# KiCad board data-center-ddr5-tester.kicad_pcb (continued)
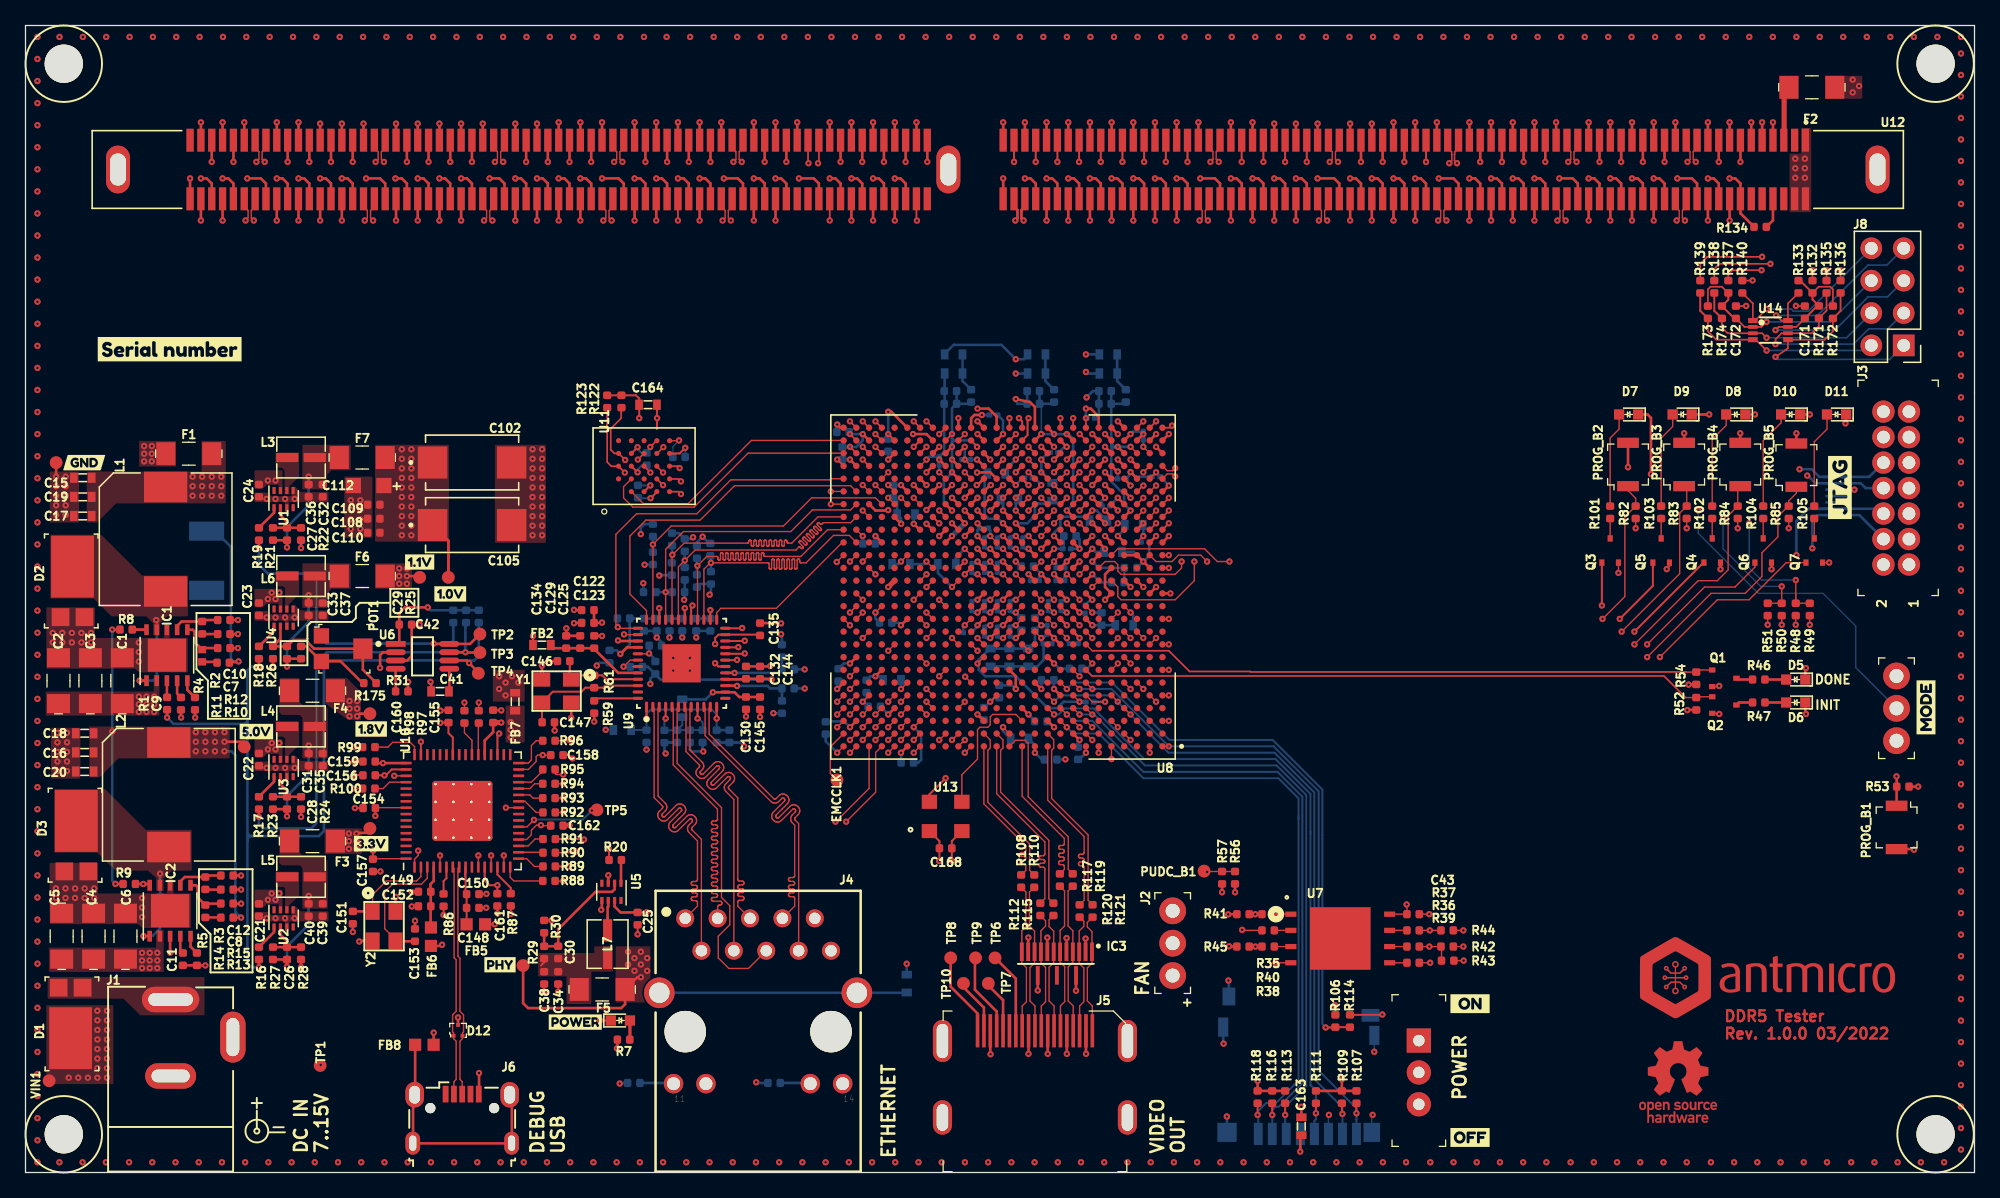
[diagram p0: board, top side]
## Routing (per net, layer and track width the routed paths; a pad name or vN(x,y) marks a point on that pad's centre or on a via; arc(x,y) is an arc through that point) (continued)
DQ15_B: length 61.5
  Top w0.2: U12.265 v1(32.45,74.7) ; U8.AA18 v1(72.64,53.94)
  In7.Cu w0.127: v1(72.64,53.94) 72.14,54.44 72.14,55.19 71.64,55.69 71.64,57.19 62.64,66.19 33.14,66.19 32.45,66.88 32.45,72.22 32.45,72.25 32.44,72.27 32.42,72.3 32.4,72.32 32.38,72.33 32.35,72.34 32.32,72.34 32.2,72.34 32.17,72.35 32.15,72.36 32.12,72.37 32.1,72.39 32.09,72.42 32.08,72.44 32.08,72.47 32.08,72.5 32.09,72.53 32.1,72.55 32.12,72.57 32.15,72.59 32.17,72.6 32.2,72.6 32.7,72.6 32.73,72.6 32.75,72.61 32.78,72.63 32.8,72.65 32.81,72.67 32.82,72.7 32.82,72.73 32.82,72.75 32.81,72.78 32.8,72.81 32.78,72.83 32.75,72.84 32.73,72.85 32.7,72.85 32.2,72.85 32.17,72.86 32.15,72.87 32.12,72.88 32.1,72.9 32.09,72.92 32.08,72.95 32.08,72.98 32.08,73.01 32.09,73.04 32.1,73.06 32.12,73.08 32.15,73.09 32.17,73.1 32.2,73.11 32.7,73.11 32.73,73.11 32.75,73.12 32.78,73.13 32.8,73.15 32.81,73.18 32.82,73.21 32.82,73.23 32.82,73.26 32.81,73.29 32.8,73.31 32.78,73.33 32.75,73.35 32.73,73.36 32.7,73.36 32.2,73.36 32.17,73.36 32.15,73.37 32.12,73.39 32.1,73.41 32.09,73.43 32.08,73.46 32.08,73.49 32.08,73.52 32.09,73.54 32.1,73.57 32.12,73.59 32.15,73.6 32.17,73.61 32.2,73.62 32.7,73.62 32.73,73.62 32.75,73.63 32.78,73.64 32.8,73.66 32.81,73.69 32.82,73.71 32.82,73.74 32.82,73.77 32.81,73.8 32.8,73.82 32.78,73.84 32.75,73.86 32.73,73.87 32.7,73.87 32.2,73.87 32.17,73.87 32.15,73.88 32.12,73.9 32.1,73.92 32.09,73.94 32.08,73.97 32.08,74 32.08,74.02 32.09,74.05 32.1,74.08 32.12,74.1 32.15,74.11 32.17,74.12 32.2,74.12 32.32,74.12 32.35,74.13 32.38,74.14 32.4,74.15 32.42,74.17 32.44,74.19 32.45,74.22 32.45,74.25 v1(32.45,74.7)
DQ16_A: length 66.6
  Top w0.196: U12.29 v1(115.75,79.3)
  Top w0.2: U8.Y5 85.15,52.44 v1(85.64,51.95)
  In7.Cu w0.127: v1(85.64,51.95) 86.14,51.45 87.15,51.45 87.65,51.95 110.65,51.95 115.75,57.05 115.75,74.94 115.75,74.97 115.76,75 115.78,75.02 115.8,75.04 115.82,75.05 115.85,75.06 115.88,75.07 116.01,75.07 116.04,75.07 116.07,75.08 116.09,75.09 116.11,75.11 116.13,75.14 116.14,75.17 116.14,75.19 116.14,75.22 116.13,75.25 116.11,75.27 116.09,75.29 116.07,75.31 116.04,75.32 116.01,75.32 115.49,75.32 115.46,75.32 115.43,75.33 115.41,75.35 115.39,75.37 115.37,75.39 115.36,75.42 115.36,75.45 115.36,75.48 115.37,75.5 115.39,75.53 115.41,75.55 115.43,75.56 115.46,75.57 115.49,75.58 116.01,75.58 116.04,75.58 116.07,75.59 116.09,75.6 116.11,75.62 116.13,75.65 116.14,75.67 116.14,75.7 116.14,75.73 116.13,75.76 116.11,75.78 116.09,75.8 116.07,75.82 116.04,75.83 116.01,75.83 115.49,75.83 115.46,75.83 115.43,75.84 115.41,75.86 115.39,75.88 115.37,75.9 115.36,75.93 115.36,75.96 115.36,75.98 115.37,76.01 115.39,76.04 115.41,76.06 115.43,76.07 115.46,76.08 115.49,76.08 116.01,76.08 116.04,76.09 116.07,76.1 116.09,76.11 116.11,76.13 116.13,76.15 116.14,76.18 116.14,76.21 116.14,76.24 116.13,76.27 116.11,76.29 116.09,76.31 116.07,76.32 116.04,76.33 116.01,76.34 115.49,76.34 115.46,76.34 115.43,76.35 115.41,76.36 115.39,76.38 115.37,76.41 115.36,76.44 115.36,76.46 115.36,76.49 115.37,76.52 115.39,76.54 115.41,76.56 115.43,76.58 115.46,76.59 115.49,76.59 116.01,76.59 116.04,76.59 116.07,76.6 116.09,76.62 116.11,76.64 116.13,76.66 116.14,76.69 116.14,76.72 116.14,76.75 116.13,76.77 116.11,76.8 116.09,76.82 116.07,76.83 116.04,76.84 116.01,76.84 115.49,76.84 115.46,76.85 115.43,76.86 115.41,76.87 115.39,76.89 115.37,76.92 115.36,76.94 115.36,76.97 115.36,77 115.37,77.03 115.39,77.05 115.41,77.07 115.43,77.09 115.46,77.1 115.49,77.1 116.01,77.1 116.04,77.1 116.07,77.11 116.09,77.13 116.11,77.15 116.13,77.17 116.14,77.2 116.14,77.23 116.14,77.25 116.13,77.28 116.11,77.31 116.09,77.33 116.07,77.34 116.04,77.35 116.01,77.35 115.49,77.35 115.46,77.36 115.43,77.37 115.41,77.38 115.39,77.4 115.37,77.42 115.36,77.45 115.36,77.48 115.36,77.51 115.37,77.54 115.39,77.56 115.41,77.58 115.43,77.59 115.46,77.6 115.49,77.61 116.01,77.61 116.04,77.61 116.07,77.62 116.09,77.63 116.11,77.65 116.13,77.68 116.14,77.71 116.14,77.73 116.14,77.76 116.13,77.79 116.11,77.81 116.09,77.83 116.07,77.85 116.04,77.86 116.01,77.86 115.49,77.86 115.46,77.86 115.43,77.87 115.41,77.89 115.39,77.91 115.37,77.93 115.36,77.96 115.36,77.99 115.36,78.02 115.37,78.04 115.39,78.07 115.41,78.09 115.43,78.1 115.46,78.11 115.49,78.12 116.01,78.12 116.04,78.12 116.07,78.13 116.09,78.14 116.11,78.16 116.13,78.19 116.14,78.21 116.14,78.24 116.14,78.27 116.13,78.3 116.11,78.32 116.09,78.34 116.07,78.36 116.04,78.37 116.01,78.37 115.49,78.37 115.46,78.37 115.43,78.38 115.41,78.4 115.39,78.42 115.37,78.44 115.36,78.47 115.36,78.5 115.36,78.52 115.37,78.55 115.39,78.58 115.41,78.6 115.43,78.61 115.46,78.62 115.49,78.62 115.62,78.62 115.65,78.63 115.68,78.64 115.7,78.65 115.72,78.67 115.74,78.69 115.75,78.72 115.75,78.75 v1(115.75,79.3)
DQ16_B: length 73.2
  Top w0.2: U12.122 v3(31.6,79.3) ; U8.AD18 v3(72.64,56.94)
  In5.Cu w0.127: v3(31.6,79.3) 31.6,78.8 31.6,78.77 31.59,78.74 31.57,78.72 31.55,78.7 31.53,78.69 31.5,78.68 31.47,78.67 31.34,78.67 31.31,78.67 31.28,78.66 31.26,78.65 31.24,78.63 31.22,78.6 31.21,78.57 31.21,78.55 31.21,78.52 31.22,78.49 31.24,78.47 31.26,78.45 31.28,78.43 31.31,78.42 31.34,78.42 31.86,78.42 31.89,78.42 31.92,78.41 31.94,78.39 31.96,78.37 31.98,78.35 31.99,78.32 31.99,78.29 31.99,78.26 31.98,78.24 31.96,78.21 31.94,78.19 31.92,78.18 31.89,78.17 31.86,78.16 31.34,78.16 31.31,78.16 31.28,78.15 31.26,78.14 31.24,78.12 31.22,78.09 31.21,78.07 31.21,78.04 31.21,78.01 31.22,77.98 31.24,77.96 31.26,77.94 31.28,77.92 31.31,77.91 31.34,77.91 31.86,77.91 31.89,77.91 31.92,77.9 31.94,77.88 31.96,77.86 31.98,77.84 31.99,77.81 31.99,77.78 31.99,77.76 31.98,77.73 31.96,77.7 31.94,77.68 31.92,77.67 31.89,77.66 31.86,77.66 31.34,77.66 31.31,77.65 31.28,77.64 31.26,77.63 31.24,77.61 31.22,77.59 31.21,77.56 31.21,77.53 31.21,77.5 31.22,77.47 31.24,77.45 31.26,77.43 31.28,77.42 31.31,77.41 31.34,77.4 31.86,77.4 31.89,77.4 31.92,77.39 31.94,77.38 31.96,77.36 31.98,77.33 31.99,77.3 31.99,77.28 31.99,77.25 31.98,77.22 31.96,77.2 31.94,77.18 31.92,77.16 31.89,77.15 31.86,77.15 31.34,77.15 31.31,77.15 31.28,77.14 31.26,77.12 31.24,77.1 31.22,77.08 31.21,77.05 31.21,77.02 31.21,76.99 31.22,76.97 31.24,76.94 31.26,76.92 31.28,76.91 31.31,76.9 31.34,76.9 31.86,76.9 31.89,76.89 31.92,76.88 31.94,76.87 31.96,76.85 31.98,76.82 31.99,76.8 31.99,76.77 31.99,76.74 31.98,76.71 31.96,76.69 31.94,76.67 31.92,76.65 31.89,76.64 31.86,76.64 31.34,76.64 31.31,76.64 31.28,76.63 31.26,76.61 31.24,76.59 31.22,76.57 31.21,76.54 31.21,76.51 31.21,76.49 31.22,76.46 31.24,76.43 31.26,76.41 31.28,76.4 31.31,76.39 31.34,76.39 31.86,76.39 31.89,76.38 31.92,76.37 31.94,76.36 31.96,76.34 31.98,76.32 31.99,76.29 31.99,76.26 31.99,76.23 31.98,76.2 31.96,76.18 31.94,76.16 31.92,76.15 31.89,76.14 31.86,76.13 31.34,76.13 31.31,76.13 31.28,76.12 31.26,76.11 31.24,76.09 31.22,76.06 31.21,76.03 31.21,76.01 31.21,75.98 31.22,75.95 31.24,75.93 31.26,75.91 31.28,75.89 31.31,75.88 31.34,75.88 31.86,75.88 31.89,75.88 31.92,75.87 31.94,75.85 31.96,75.83 31.98,75.81 31.99,75.78 31.99,75.75 31.99,75.72 31.98,75.7 31.96,75.67 31.94,75.65 31.92,75.64 31.89,75.63 31.86,75.62 31.34,75.62 31.31,75.62 31.28,75.61 31.26,75.6 31.24,75.58 31.22,75.55 31.21,75.53 31.21,75.5 31.21,75.47 31.22,75.44 31.24,75.42 31.26,75.4 31.28,75.38 31.31,75.37 31.34,75.37 31.86,75.37 31.89,75.37 31.92,75.36 31.94,75.34 31.96,75.32 31.98,75.3 31.99,75.27 31.99,75.24 31.99,75.22 31.98,75.19 31.96,75.16 31.94,75.14 31.92,75.13 31.89,75.12 31.86,75.12 31.34,75.12 31.31,75.11 31.28,75.1 31.26,75.09 31.24,75.07 31.22,75.05 31.21,75.02 31.21,74.99 31.21,74.96 31.22,74.93 31.24,74.91 31.26,74.89 31.28,74.88 31.31,74.87 31.34,74.86 31.47,74.86 31.5,74.86 31.53,74.85 31.55,74.84 31.57,74.82 31.59,74.79 31.6,74.76 31.6,74.74 31.6,66.23 32.39,65.44 69.14,65.44 72.64,61.94 v3(72.64,56.94)
DQ17_A: length 66.6
  Top w0.2: U12.31 v1(114.05,79.3) ; U8.AA4 v1(86.64,52.94)
  In7.Cu w0.127: v1(86.64,52.94) 109.64,52.94 114.05,57.35 114.05,73.77 114.05,73.8 114.04,73.83 114.02,73.85 114,73.87 113.98,73.88 113.95,73.89 113.92,73.9 113.78,73.9 113.75,73.9 113.72,73.91 113.7,73.92 113.68,73.94 113.66,73.97 113.65,74 113.65,74.02 113.65,74.05 113.66,74.08 113.68,74.1 113.7,74.12 113.72,74.14 113.75,74.15 113.78,74.15 114.32,74.15 114.35,74.15 114.38,74.16 114.4,74.18 114.42,74.2 114.44,74.22 114.45,74.25 114.45,74.28 114.45,74.31 114.44,74.33 114.42,74.36 114.4,74.38 114.38,74.39 114.35,74.4 114.32,74.41 113.78,74.41 113.75,74.41 113.72,74.42 113.7,74.43 113.68,74.45 113.66,74.48 113.65,74.5 113.65,74.53 113.65,74.56 113.66,74.59 113.68,74.61 113.7,74.63 113.72,74.65 113.75,74.66 113.78,74.66 114.32,74.66 114.35,74.66 114.38,74.67 114.4,74.69 114.42,74.71 114.44,74.73 114.45,74.76 114.45,74.79 114.45,74.81 114.44,74.84 114.42,74.87 114.4,74.89 114.38,74.9 114.35,74.91 114.32,74.91 113.78,74.91 113.75,74.92 113.72,74.93 113.7,74.94 113.68,74.96 113.66,74.98 113.65,75.01 113.65,75.04 113.65,75.07 113.66,75.1 113.68,75.12 113.7,75.14 113.72,75.15 113.75,75.16 113.78,75.17 114.32,75.17 114.35,75.17 114.38,75.18 114.4,75.19 114.42,75.21 114.44,75.24 114.45,75.27 114.45,75.29 114.45,75.32 114.44,75.35 114.42,75.37 114.4,75.39 114.38,75.41 114.35,75.42 114.32,75.42 113.78,75.42 113.75,75.42 113.72,75.43 113.7,75.45 113.68,75.47 113.66,75.49 113.65,75.52 113.65,75.55 113.65,75.58 113.66,75.6 113.68,75.63 113.7,75.65 113.72,75.66 113.75,75.67 113.78,75.67 114.32,75.67 114.35,75.68 114.38,75.69 114.4,75.7 114.42,75.72 114.44,75.75 114.45,75.77 114.45,75.8 114.45,75.83 114.44,75.86 114.42,75.88 114.4,75.9 114.38,75.92 114.35,75.93 114.32,75.93 113.78,75.93 113.75,75.93 113.72,75.94 113.7,75.96 113.68,75.98 113.66,76 113.65,76.03 113.65,76.06 113.65,76.08 113.66,76.11 113.68,76.14 113.7,76.16 113.72,76.17 113.75,76.18 113.78,76.18 114.32,76.18 114.35,76.19 114.38,76.2 114.4,76.21 114.42,76.23 114.44,76.25 114.45,76.28 114.45,76.31 114.45,76.34 114.44,76.37 114.42,76.39 114.4,76.41 114.38,76.42 114.35,76.43 114.32,76.44 113.78,76.44 113.75,76.44 113.72,76.45 113.7,76.46 113.68,76.48 113.66,76.51 113.65,76.54 113.65,76.56 113.65,76.59 113.66,76.62 113.68,76.64 113.7,76.66 113.72,76.68 113.75,76.69 113.78,76.69 114.32,76.69 114.35,76.69 114.38,76.7 114.4,76.72 114.42,76.74 114.44,76.76 114.45,76.79 114.45,76.82 114.45,76.85 114.44,76.87 114.42,76.9 114.4,76.92 114.38,76.93 114.35,76.94 114.32,76.94 113.78,76.94 113.75,76.95 113.72,76.96 113.7,76.97 113.68,76.99 113.66,77.02 113.65,77.04 113.65,77.07 113.65,77.1 113.66,77.13 113.68,77.15 113.7,77.17 113.72,77.19 113.75,77.2 113.78,77.2 114.32,77.2 114.35,77.2 114.38,77.21 114.4,77.23 114.42,77.25 114.44,77.27 114.45,77.3 114.45,77.33 114.45,77.35 114.44,77.38 114.42,77.41 114.4,77.43 114.38,77.44 114.35,77.45 114.32,77.45 113.78,77.45 113.75,77.46 113.72,77.47 113.7,77.48 113.68,77.5 113.66,77.52 113.65,77.55 113.65,77.58 113.65,77.61 113.66,77.64 113.68,77.66 113.7,77.68 113.72,77.69 113.75,77.7 113.78,77.71 114.32,77.71 114.35,77.71 114.38,77.72 114.4,77.73 114.42,77.75 114.44,77.78 114.45,77.81 114.45,77.83 114.45,77.86 114.44,77.89 114.42,77.91 114.4,77.93 114.38,77.95 114.35,77.96 114.32,77.96 113.78,77.96 113.75,77.96 113.72,77.97 113.7,77.99 113.68,78.01 113.66,78.03 113.65,78.06 113.65,78.09 113.65,78.12 113.66,78.14 113.68,78.17 113.7,78.19 113.72,78.2 113.75,78.21 113.78,78.22 114.32,78.22 114.35,78.22 114.38,78.23 114.4,78.24 114.42,78.26 114.44,78.29 114.45,78.31 114.45,78.34 114.45,78.37 114.44,78.4 114.42,78.42 114.4,78.44 114.38,78.46 114.35,78.47 114.32,78.47 113.78,78.47 113.75,78.47 113.72,78.48 113.7,78.5 113.68,78.52 113.66,78.54 113.65,78.57 113.65,78.6 113.65,78.62 113.66,78.65 113.68,78.68 113.7,78.7 113.72,78.71 113.75,78.72 113.78,78.72 113.92,78.72 113.95,78.73 113.98,78.74 114,78.75 114.02,78.77 114.04,78.79 114.05,78.82 114.05,78.85 v1(114.05,79.3)
DQ17_B: length 73.2
  Top w0.2: U12.124 v3(29.9,79.3) ; U8.AD19 v3(71.64,56.94)
  In5.Cu w0.127: v3(71.64,56.94) 71.64,61.44 68.64,64.44 30.64,64.44 29.9,65.18 29.9,75.6 29.9,75.63 29.91,75.65 29.93,75.68 29.95,75.7 29.97,75.71 30,75.72 30.03,75.72 30.21,75.72 30.24,75.73 30.26,75.74 30.29,75.75 30.31,75.77 30.32,75.8 30.33,75.82 30.33,75.85 30.33,75.88 30.32,75.91 30.31,75.93 30.29,75.95 30.26,75.97 30.24,75.98 30.21,75.98 29.59,75.98 29.56,75.98 29.54,75.99 29.51,76.01 29.49,76.03 29.48,76.05 29.47,76.08 29.47,76.11 29.47,76.13 29.48,76.16 29.49,76.19 29.51,76.21 29.54,76.22 29.56,76.23 29.59,76.23 30.21,76.23 30.24,76.24 30.26,76.25 30.29,76.26 30.31,76.28 30.32,76.3 30.33,76.33 30.33,76.36 30.33,76.39 30.32,76.42 30.31,76.44 30.29,76.46 30.26,76.47 30.24,76.48 30.21,76.49 29.59,76.49 29.56,76.49 29.54,76.5 29.51,76.51 29.49,76.53 29.48,76.56 29.47,76.59 29.47,76.61 29.47,76.64 29.48,76.67 29.49,76.69 29.51,76.71 29.54,76.73 29.56,76.74 29.59,76.74 30.21,76.74 30.24,76.74 30.26,76.75 30.29,76.77 30.31,76.79 30.32,76.81 30.33,76.84 30.33,76.87 30.33,76.9 30.32,76.92 30.31,76.95 30.29,76.97 30.26,76.98 30.24,76.99 30.21,77 29.59,77 29.56,77 29.54,77.01 29.51,77.02 29.49,77.04 29.48,77.07 29.47,77.09 29.47,77.12 29.47,77.15 29.48,77.18 29.49,77.2 29.51,77.22 29.54,77.24 29.56,77.25 29.59,77.25 30.21,77.25 30.24,77.25 30.26,77.26 30.29,77.28 30.31,77.3 30.32,77.32 30.33,77.35 30.33,77.38 30.33,77.4 30.32,77.43 30.31,77.46 30.29,77.48 30.26,77.49 30.24,77.5 30.21,77.5 29.59,77.5 29.56,77.51 29.54,77.52 29.51,77.53 29.49,77.55 29.48,77.57 29.47,77.6 29.47,77.63 29.47,77.66 29.48,77.69 29.49,77.71 29.51,77.73 29.54,77.74 29.56,77.75 29.59,77.76 30.16,77.76 30.19,77.76 30.21,77.77 30.24,77.78 30.26,77.8 30.27,77.83 30.28,77.86 30.28,77.88 30.28,77.91 30.27,77.94 30.26,77.96 30.24,77.98 30.21,78 30.19,78.01 30.16,78.01 29.59,78.01 29.56,78.01 29.54,78.02 29.51,78.04 29.49,78.06 29.48,78.08 29.47,78.11 29.47,78.14 29.47,78.17 29.48,78.19 29.49,78.22 29.51,78.24 29.54,78.25 29.56,78.26 29.59,78.27 30.21,78.27 30.24,78.27 30.26,78.28 30.29,78.29 30.31,78.31 30.32,78.34 30.33,78.36 30.33,78.39 30.33,78.42 30.32,78.45 30.31,78.47 30.29,78.49 30.26,78.51 30.24,78.52 30.21,78.52 29.59,78.52 29.56,78.52 29.54,78.53 29.51,78.55 29.49,78.57 29.48,78.59 29.47,78.62 29.47,78.65 29.47,78.67 29.48,78.7 29.49,78.73 29.51,78.75 29.54,78.76 29.56,78.77 29.59,78.77 29.77,78.77 29.8,78.78 29.83,78.79 29.85,78.8 29.87,78.82 29.89,78.84 29.9,78.87 29.9,78.9 v3(29.9,79.3)
DQ18_A: length 66.6
  Top w0.2: U12.174 v1(114.9,74.7) ; U8.Y6 v1(83.64,52.94)
  In7.Cu w0.127: v1(114.9,74.7) 114.9,73.9 114.9,73.87 114.89,73.84 114.87,73.82 114.85,73.8 114.83,73.79 114.8,73.78 114.77,73.77 114.64,73.77 114.61,73.77 114.58,73.76 114.56,73.75 114.54,73.73 114.52,73.7 114.51,73.67 114.51,73.65 114.51,73.62 114.52,73.59 114.54,73.57 114.56,73.55 114.58,73.53 114.61,73.52 114.64,73.52 115.16,73.52 115.19,73.52 115.22,73.51 115.24,73.49 115.26,73.47 115.28,73.45 115.29,73.42 115.29,73.39 115.29,73.36 115.28,73.34 115.26,73.31 115.24,73.29 115.22,73.28 115.19,73.27 115.16,73.27 114.64,73.27 114.61,73.26 114.58,73.25 114.56,73.24 114.54,73.22 114.52,73.19 114.51,73.17 114.51,73.14 114.51,73.11 114.52,73.08 114.54,73.06 114.56,73.04 114.58,73.02 114.61,73.01 114.64,73.01 115.16,73.01 115.19,73.01 115.22,73 115.24,72.98 115.26,72.96 115.28,72.94 115.29,72.91 115.29,72.88 115.29,72.86 115.28,72.83 115.26,72.8 115.24,72.78 115.22,72.77 115.19,72.76 115.16,72.76 114.64,72.76 114.61,72.75 114.58,72.74 114.56,72.73 114.54,72.71 114.52,72.69 114.51,72.66 114.51,72.63 114.51,72.6 114.52,72.57 114.54,72.55 114.56,72.53 114.58,72.52 114.61,72.51 114.64,72.5 115.16,72.5 115.19,72.5 115.22,72.49 115.24,72.48 115.26,72.46 115.28,72.43 115.29,72.4 115.29,72.38 115.29,72.35 115.28,72.32 115.26,72.3 115.24,72.28 115.22,72.26 115.19,72.25 115.16,72.25 114.64,72.25 114.61,72.25 114.58,72.24 114.56,72.22 114.54,72.2 114.52,72.18 114.51,72.15 114.51,72.12 114.51,72.09 114.52,72.07 114.54,72.04 114.56,72.02 114.58,72.01 114.61,72 114.64,72 115.16,72 115.19,71.99 115.22,71.98 115.24,71.97 115.26,71.95 115.28,71.92 115.29,71.9 115.29,71.87 115.29,71.84 115.28,71.81 115.26,71.79 115.24,71.77 115.22,71.75 115.19,71.74 115.16,71.74 114.64,71.74 114.61,71.74 114.58,71.73 114.56,71.71 114.54,71.69 114.52,71.67 114.51,71.64 114.51,71.61 114.51,71.59 114.52,71.56 114.54,71.53 114.56,71.51 114.58,71.5 114.61,71.49 114.64,71.49 115.16,71.49 115.19,71.48 115.22,71.47 115.24,71.46 115.26,71.44 115.28,71.42 115.29,71.39 115.29,71.36 115.29,71.33 115.28,71.3 115.26,71.28 115.24,71.26 115.22,71.25 115.19,71.24 115.16,71.23 114.64,71.23 114.61,71.23 114.58,71.22 114.56,71.21 114.54,71.19 114.52,71.16 114.51,71.13 114.51,71.11 114.51,71.08 114.52,71.05 114.54,71.03 114.56,71.01 114.58,70.99 114.61,70.98 114.64,70.98 115.16,70.98 115.19,70.98 115.22,70.97 115.24,70.95 115.26,70.93 115.28,70.91 115.29,70.88 115.29,70.85 115.29,70.82 115.28,70.8 115.26,70.77 115.24,70.75 115.22,70.74 115.19,70.73 115.16,70.72 114.64,70.72 114.61,70.72 114.58,70.71 114.56,70.7 114.54,70.68 114.52,70.65 114.51,70.63 114.51,70.6 114.51,70.57 114.52,70.54 114.54,70.52 114.56,70.5 114.58,70.48 114.61,70.47 114.64,70.47 115.16,70.47 115.19,70.47 115.22,70.46 115.24,70.44 115.26,70.42 115.28,70.4 115.29,70.37 115.29,70.34 115.29,70.32 115.28,70.29 115.26,70.26 115.24,70.24 115.22,70.23 115.19,70.22 115.16,70.22 114.64,70.22 114.61,70.21 114.58,70.2 114.56,70.19 114.54,70.17 114.52,70.15 114.51,70.12 114.51,70.09 114.51,70.06 114.52,70.03 114.54,70.01 114.56,69.99 114.58,69.98 114.61,69.97 114.64,69.96 115.16,69.96 115.19,69.96 115.22,69.95 115.24,69.94 115.26,69.92 115.28,69.89 115.29,69.86 115.29,69.84 115.29,69.81 115.28,69.78 115.26,69.76 115.24,69.74 115.22,69.72 115.19,69.71 115.16,69.71 114.64,69.71 114.61,69.71 114.58,69.7 114.56,69.68 114.54,69.66 114.52,69.64 114.51,69.61 114.51,69.58 114.51,69.55 114.52,69.53 114.54,69.5 114.56,69.48 114.58,69.47 114.61,69.46 114.64,69.45 115.16,69.45 115.19,69.45 115.22,69.44 115.24,69.43 115.26,69.41 115.28,69.38 115.29,69.36 115.29,69.33 115.29,69.3 115.28,69.27 115.26,69.25 115.24,69.23 115.22,69.21 115.19,69.2 115.16,69.2 114.64,69.2 114.61,69.2 114.58,69.19 114.56,69.17 114.54,69.15 114.52,69.13 114.51,69.1 114.51,69.07 114.51,69.05 114.52,69.02 114.54,68.99 114.56,68.97 114.58,68.96 114.61,68.95 114.64,68.95 115.16,68.95 115.19,68.94 115.22,68.93 115.24,68.92 115.26,68.9 115.28,68.88 115.29,68.85 115.29,68.82 115.29,68.79 115.28,68.76 115.26,68.74 115.24,68.72 115.22,68.71 115.19,68.7 115.16,68.69 115.03,68.69 115,68.69 114.97,68.68 114.95,68.67 114.93,68.65 114.91,68.62 114.9,68.59 114.9,68.57 114.9,57.2 110.14,52.44 U8.Y6 v1(83.64,52.94)
